# Altium PCB SMIOT_PCB_V2.PcbDoc (part 2 of 2)
Units mm, origin at the board's own origin, x right, y up, seen from the top; angles counter-clockwise.
Board outline 99.95 x 48.01 mm, 2 copper layers (Top Layer, Bottom Layer); 112 components, 69 nets, 364 pads, 712 vias.
Unrouted connection lines stored in the file: 1.
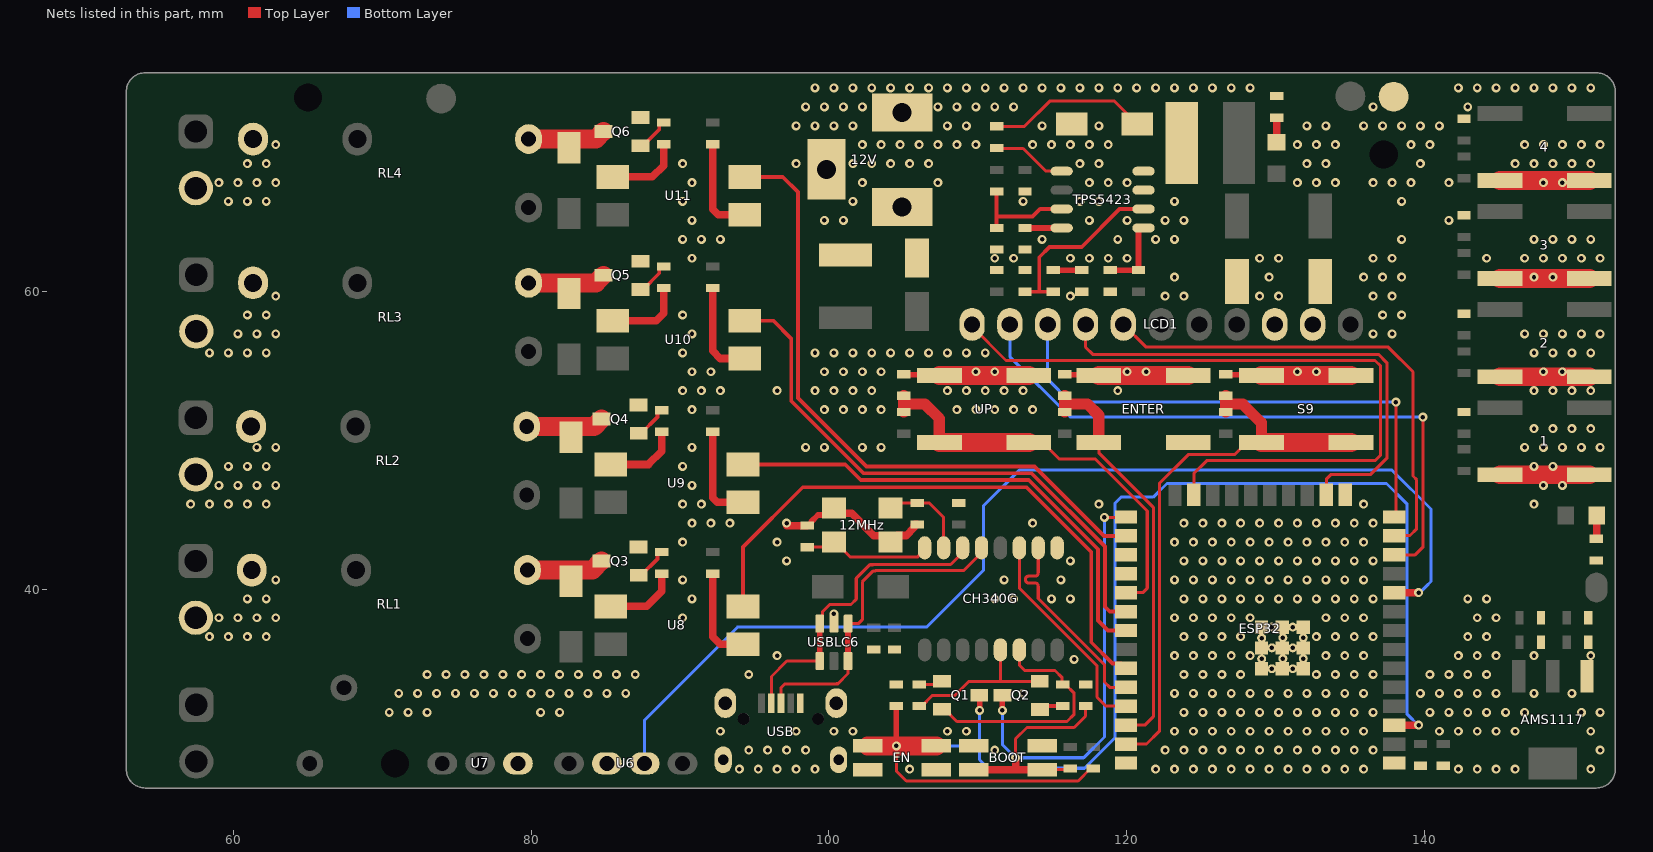
[diagram p2: the nets of this part, all layers, seen from the top]

## Via types
v1: diameter 0.6, hole 0.3, Top Layer to Bottom Layer, tented both sides, 677 vias
v2: diameter 0.6, hole 0.3, Top Layer to Bottom Layer, tented bottom, 35 vias

## Nets (pads, with @x,y where several pads share a name; then routed paths per layer and width w, separated by ;. In a path a pad name is that pad's centre, name@x,y a point inside that pad or via, vN(x,y) a via of type N, cw(c..) or ccw(c..) an arc to the next point about the centre after c; other vN are vias at no path point) (continued)
GND: 1.3 1.4 2.3 2.4 3.3 3.4 4.3 4.4 12MHz.2 12MHz.4 12V.2 12V.3 AMS1117.1 BOOT.3 BOOT.4 C1.2 C2.2 C3.2 C4.2 C5.2 C6.2 C8.2 C9.2 C11.2 C12.2 C13.2 C14.2 C15.2 C16.1 C17.2 C18.2 C19.1 C20.1 C21.2 C22.2 C23.2 C24.2 C25.2 C26.2 C27.2 C28.2 CH340G.1 D2.1 DOWN.2 EN.3 EN.4 ENTER.3 ENTER.4 ESP32.1 ESP32.15 ESP32.38 ESP32.39 GND.1 LCD1.9 LCD1.10 Q3.1 Q4.1 Q5.1 Q6.1 R1.2 R4.2 R5.2 R6.2 R7.2 S9.3 S9.4 TPS5423.7 U6.2 U7.3 UP.3 UP.4 USB.5 USB.Shell USBLC6.2 | length 60.1
  Top Layer w0.381: C19.1@98.552,44.286 98.727,44.286 98.812,44.371 98.812,44.545 99.264,44.998 99.86,44.998 12MHz.4@100.335,45.473 ; C27.2@105.029,54.446 105.074,54.401 107.366,54.401 UP.3@107.411,54.356 ; C28.2@115.824,54.446 115.869,54.401 118.065,54.401 ENTER.3@118.11,54.356 ; DOWN.2@126.619,54.446 126.664,54.401 128.987,54.401 S9.3@129.032,54.356
  Top Layer w0.508: v1@97.155,44.298 97.167,44.286 C19.1@98.552,44.286 ; 12MHz.4@100.335,45.473 100.703,45.105 101.529,45.105 103.017,43.617 103.691,43.617 12MHz.2@104.135,43.173 104.581,43.619 105.177,43.619 105.722,44.164 105.722,44.339 105.743,44.36 C20.1@105.918,44.36
  Top Layer w1.27: UP.3@107.411,54.356 UP.4@113.411,54.356 ; ENTER.3@118.11,54.356 ENTER.4@124.11,54.356 ; S9.3@129.032,54.356 S9.4@135.032,54.356 ; 1.4@145.034,47.697 1.3@151.034,47.697 ; 2.4@145.034,54.277 2.3@151.034,54.277 ; 3.4@145.034,60.857 3.3@151.034,60.857 ; 4.4@145.034,67.437 4.3@151.034,67.437
  other v1: 93.98,27.94 95.25,27.94 96.52,27.94 97.79,27.94 99.06,27.94 105.41,27.94 121.92,27.94 123.19,27.94 124.46,27.94 125.73,27.94 127,27.94 128.27,27.94 129.54,27.94 130.81,27.94 132.08,27.94 133.35,27.94 134.62,27.94 135.89,27.94 142.24,27.94 143.51,27.94 144.78,27.94 146.05,27.94 151.13,27.94 94.615,29.21 95.885,29.21 97.155,29.21 98.425,29.21 111.125,29.21 122.555,29.21 123.825,29.21 125.095,29.21 126.365,29.21 127.635,29.21 128.905,29.21 130.175,29.21 131.445,29.21 132.715,29.21 133.985,29.21 135.255,29.21 136.525,29.21 151.765,29.21 92.71,30.48 97.79,30.48 100.33,30.48 101.6,30.48 107.95,30.48 109.22,30.48 123.19,30.48 124.46,30.48 125.73,30.48 127,30.48 128.27,30.48 129.54,30.48 130.81,30.48 132.08,30.48 133.35,30.48 134.62,30.48 135.89,30.48 140.97,30.48 142.24,30.48 143.51,30.48 144.78,30.48 146.05,30.48 151.13,30.48 70.485,31.75 71.755,31.75 73.025,31.75 80.645,31.75 81.915,31.75 123.825,31.75 125.095,31.75 126.365,31.75 127.635,31.75 128.905,31.75 130.175,31.75 131.445,31.75 132.715,31.75 133.985,31.75 135.255,31.75 136.525,31.75 140.335,31.75 141.605,31.75 142.875,31.75 144.145,31.75 145.415,31.75 146.685,31.75 150.495,31.75 151.765,31.75 71.12,33.02 72.39,33.02 73.66,33.02 74.93,33.02 76.2,33.02 77.47,33.02 78.74,33.02 80.01,33.02 81.28,33.02 82.55,33.02 83.82,33.02 85.09,33.02 86.36,33.02 113.03,33.02 123.19,33.02 124.46,33.02 125.73,33.02 127,33.02 128.27,33.02 129.54,33.02 130.81,33.02 132.08,33.02 133.35,33.02 134.62,33.02 135.89,33.02 139.7,33.02 140.97,33.02 142.24,33.02 143.51,33.02 144.78,33.02 147.32,33.02 149.86,33.02 73.025,34.29 74.295,34.29 75.565,34.29 76.835,34.29 78.105,34.29 79.375,34.29 80.645,34.29 81.915,34.29 83.185,34.29 84.455,34.29 85.725,34.29 86.995,34.29 94.615,34.29 123.825,34.29 125.095,34.29 126.365,34.29 127.635,34.29 132.715,34.29 133.985,34.29 135.255,34.29 136.525,34.29 140.335,34.29 141.605,34.29 142.875,34.29 144.145,34.29 116.459,35.306 96.52,35.56 123.19,35.56 124.46,35.56 125.73,35.56 127,35.56 128.27,35.56 133.35,35.56 134.62,35.56 135.89,35.56 142.24,35.56 143.51,35.56 144.78,35.56 147.32,35.56 151.13,35.56 123.825,36.83 125.095,36.83 126.365,36.83 127.635,36.83 132.715,36.83 133.985,36.83 135.255,36.83 136.525,36.83 142.875,36.83 144.145,36.83 90.17,38.1 123.19,38.1 124.46,38.1 125.73,38.1 127,38.1 128.27,38.1 133.35,38.1 134.62,38.1 135.89,38.1 143.51,38.1 144.78,38.1 100.33,38.354 90.805,39.37 111.125,39.37 112.395,39.37 114.935,39.37 116.205,39.37 123.825,39.37 125.095,39.37 126.365,39.37 127.635,39.37 128.905,39.37 130.175,39.37 131.445,39.37 132.715,39.37 133.985,39.37 135.255,39.37 136.525,39.37 142.875,39.37 144.145,39.37 90.17,40.64 111.76,40.64 115.57,40.64 123.19,40.64 124.46,40.64 125.73,40.64 127,40.64 128.27,40.64 129.54,40.64 130.81,40.64 132.08,40.64 133.35,40.64 134.62,40.64 135.89,40.64 97.155,41.91 116.205,41.91 123.825,41.91 125.095,41.91 126.365,41.91 127.635,41.91 128.905,41.91 130.175,41.91 131.445,41.91 132.715,41.91 133.985,41.91 135.255,41.91 136.525,41.91 90.17,43.18 96.52,43.18 123.19,43.18 124.46,43.18 125.73,43.18 127,43.18 128.27,43.18 129.54,43.18 130.81,43.18 132.08,43.18 133.35,43.18 134.62,43.18 135.89,43.18 90.805,44.45 92.075,44.45 93.345,44.45 97.155,44.45 113.665,44.45 123.825,44.45 125.095,44.45 126.365,44.45 127.635,44.45 128.905,44.45 130.175,44.45 131.445,44.45 132.715,44.45 133.985,44.45 135.255,44.45 136.525,44.45 90.17,45.72 91.44,45.72 118.11,45.72 135.89,45.72 147.32,45.72 90.805,46.99 147.955,46.99 149.225,46.99 90.17,48.26 147.32,48.26 148.59,48.26 90.805,49.53 98.425,49.53 99.695,49.53 102.235,49.53 103.505,49.53 146.685,49.53 147.955,49.53 149.225,49.53 150.495,49.53 151.765,49.53 147.32,50.8 148.59,50.8 149.86,50.8 151.13,50.8 90.805,52.07 99.695,52.07 100.965,52.07 102.235,52.07 103.505,52.07 108.585,52.07 109.855,52.07 111.125,52.07 112.395,52.07 113.665,52.07 90.17,53.34 91.44,53.34 92.71,53.34 96.52,53.34 99.06,53.34 100.33,53.34 101.6,53.34 102.87,53.34 107.95,53.34 109.22,53.34 110.49,53.34 111.76,53.34 113.03,53.34 119.38,53.34 147.32,53.34 148.59,53.34 149.86,53.34 151.13,53.34 90.805,54.61 92.075,54.61 99.695,54.61 100.965,54.61 102.235,54.61 103.505,54.61 109.855,54.61 111.125,54.61 120.015,54.61 121.285,54.61 131.445,54.61 132.715,54.61 147.955,54.61 149.225,54.61 90.17,55.88 99.06,55.88 100.33,55.88 101.6,55.88 102.87,55.88 104.14,55.88 105.41,55.88 106.68,55.88 107.95,55.88 109.22,55.88 110.49,55.88 147.32,55.88 148.59,55.88 149.86,55.88 151.13,55.88 90.805,57.15 136.525,57.15 137.795,57.15 146.685,57.15 147.955,57.15 149.225,57.15 150.495,57.15 151.765,57.15 90.17,58.42 137.16,58.42 138.43,58.42 116.205,59.69 122.555,59.69 123.825,59.69 128.905,59.69 130.175,59.69 136.525,59.69 137.795,59.69 123.19,60.96 129.54,60.96 135.89,60.96 137.16,60.96 138.43,60.96 147.32,60.96 148.59,60.96 90.805,62.23 111.125,62.23 112.395,62.23 116.205,62.23 117.475,62.23 118.745,62.23 120.015,62.23 128.905,62.23 130.175,62.23 136.525,62.23 137.795,62.23 144.145,62.23 146.685,62.23 147.955,62.23 149.225,62.23 150.495,62.23 151.765,62.23 90.17,63.5 91.44,63.5 92.71,63.5 114.3,63.5 119.38,63.5 121.92,63.5 123.19,63.5 138.43,63.5 147.32,63.5 148.59,63.5 149.86,63.5 151.13,63.5 90.805,64.77 99.695,64.77 100.965,64.77 117.475,64.77 120.015,64.77 122.555,64.77 123.825,64.77 141.605,64.77 90.17,66.04 101.6,66.04 113.03,66.04 116.84,66.04 118.11,66.04 123.19,66.04 138.43,66.04 90.805,67.31 102.235,67.31 107.315,67.31 117.475,67.31 118.745,67.31 120.015,67.31 131.445,67.31 132.715,67.31 133.985,67.31 136.525,67.31 137.795,67.31 139.065,67.31 141.605,67.31 147.955,67.31 149.225,67.31 90.17,68.58 97.79,68.58 101.6,68.58 102.87,68.58 104.14,68.58 105.41,68.58 106.68,68.58 116.84,68.58 118.11,68.58 132.08,68.58 133.35,68.58 139.7,68.58 146.05,68.58 147.32,68.58 148.59,68.58 149.86,68.58 151.13,68.58 102.235,69.85 103.505,69.85 104.775,69.85 106.045,69.85 107.315,69.85 108.585,69.85 109.855,69.85 113.665,69.85 114.935,69.85 116.205,69.85 117.475,69.85 118.745,69.85 131.445,69.85 132.715,69.85 133.985,69.85 139.065,69.85 140.335,69.85 146.685,69.85 147.955,69.85 149.225,69.85 150.495,69.85 151.765,69.85 97.79,71.12 99.06,71.12 100.33,71.12 101.6,71.12 107.95,71.12 109.22,71.12 114.3,71.12 118.11,71.12 132.08,71.12 133.35,71.12 135.89,71.12 137.16,71.12 138.43,71.12 139.7,71.12 140.97,71.12 98.425,72.39 99.695,72.39 100.965,72.39 102.235,72.39 107.315,72.39 108.585,72.39 109.855,72.39 111.125,72.39 112.395,72.39 136.525,72.39 142.875,72.39 99.06,73.66 100.33,73.66 101.6,73.66 102.87,73.66 104.14,73.66 105.41,73.66 106.68,73.66 107.95,73.66 109.22,73.66 110.49,73.66 111.76,73.66 113.03,73.66 114.3,73.66 115.57,73.66 116.84,73.66 118.11,73.66 119.38,73.66 120.65,73.66 121.92,73.66 123.19,73.66 124.46,73.66 125.73,73.66 127,73.66 128.27,73.66 142.24,73.66 143.51,73.66 144.78,73.66 146.05,73.66 147.32,73.66 148.59,73.66 149.86,73.66 151.13,73.66
HSPICLK: ESP32.13 LCD1.5 | length 33.1
  Top Layer w0.203: LCD1.5@119.761,57.785 121.285,56.261 137.541,56.261 139.192,54.61 139.192,47.609 139.446,47.355 139.446,44.069 138.995,43.618 137.959,43.618 ESP32.13@137.932,43.591
HSPICS0: ESP32.23 LCD1.1 | length 49.1
  Top Layer w0.203: LCD1.1@109.601,57.785 109.601,57.658 111.887,55.372 136.652,55.372 137.033,54.991 137.033,49.022 136.652,48.641 125.349,48.641 124.492,47.784 ESP32.23@124.492,46.361
HSPID: ESP32.16 LCD1.4 | length 34.3
  Top Layer w0.203: LCD1.4@117.221,57.785 117.221,56.261 117.704,55.778 136.881,55.778 137.444,55.215 137.444,48.798 136.373,47.727 133.706,47.727 133.382,47.403 ESP32.16@133.382,46.361
LCD_Enter: C28.1 ENTER.1 ENTER.2 ESP32.36 R22.2 | length 27.5
  Top Layer w0.203: ENTER.2@118.11,49.856 118.11,49.172 121.768,45.515 121.768,31.463 121.196,30.891 ESP32.36@119.932,30.891
  Top Layer w0.762: R22.2@115.824,51.906 115.824,52.451 ; C28.1@115.824,52.996 115.824,52.451 ; ENTER.2@118.11,49.856 118.11,51.689 117.348,52.451 115.824,52.451
LCD_RS: ESP32.14 LCD1.3 | length 35.4
  Top Layer w0.203: ESP32.14@137.932,44.861 138.049,44.978 v2(138.049,52.578)
  Bottom Layer w0.203: LCD1.3@114.681,57.785 114.681,54.102 116.205,52.578 v2(138.049,52.578)
LCD_RST: ESP32.12 LCD1.2 | length 42.4
  Top Layer w0.203: ESP32.12@137.932,42.321 139.349,42.321 139.857,42.829 v2(139.857,51.562)
  Bottom Layer w0.203: LCD1.2@112.141,57.785 112.141,55.626 116.205,51.562 v2(139.857,51.562)
LCD_UP: C27.1 ESP32.29 R20.2 UP.1 UP.2 | length 28.1
  Top Layer w0.203: UP.1@113.411,49.856 114.355,49.856 115.443,48.768 117.856,48.768 121.361,45.263 121.361,40.081 121.061,39.781 ESP32.29@119.932,39.781
  Top Layer w0.762: R20.2@105.029,51.906 105.029,52.451 ; C27.1@105.029,52.996 105.029,52.451 ; UP.2@107.411,49.856 107.411,51.466 106.426,52.451 105.029,52.451
  Top Layer w1.27: UP.2@107.411,49.856 UP.1@113.411,49.856
LDC_DOWN: DOWN.1 ESP32.37 R25.2 S9.1 S9.2 | length 38.6
  Top Layer w0.203: ESP32.37@119.932,29.621 121.315,29.621 122.174,30.48 122.174,47.117 124.104,49.047 127.223,49.047 128.032,49.856 S9.2@129.032,49.856
  Top Layer w0.762: R25.2@126.619,51.906 126.619,52.451 ; DOWN.1@126.619,52.996 126.619,52.451 ; S9.2@129.032,49.856 129.032,51.181 127.762,52.451 126.619,52.451
  Top Layer w1.27: S9.2@129.032,49.856 S9.1@135.032,49.856
LM393: ESP32.10 U6.3 | length 73.9
  Top Layer w0.508: ESP32.10@137.932,39.781 v2(139.578,39.781)
  Bottom Layer w0.203: U6.3@87.63,28.321 87.63,31.242 93.853,37.465 93.878,37.49 106.578,37.49 110.363,41.275 110.363,45.593 112.776,48.006 137.795,48.006 140.405,45.396 140.405,40.532 140.092,40.219 139.654,39.781 v2(139.578,39.781)
NetC7_1: C7.1 TPS5423.1 | length 5
  Top Layer w0.203: C7.1@111.252,69.633 111.289,69.596 113.035,69.596 114.559,68.072 TPS5423.1@115.614,68.072
NetC7_2: C7.2 D2.2 L1.1 TPS5423.8 | length 10.8
  Top Layer w0.203: C7.2@111.252,71.083 113.12,71.083 114.808,72.771 119.167,72.771 D2.2@120.691,71.247
NetC10_1: C10.1 C11.1 TPS5423.6 | length 12.6
  Top Layer w0.254: C11.1@113.157,59.981 114.109,59.981 ; C10.1@115.062,59.981 114.109,59.981 ; TPS5423.6@121.114,65.532 119.507,65.532 116.967,62.992 114.808,62.992 114.109,62.293 114.109,59.981
NetC10_2: C10.2 R7.1 | length 1.9
  Top Layer w0.381: C10.2@115.062,61.431 R7.1@116.967,61.431
NetC13_1: C13.1 TPS5423.4 | length 2.5
  Top Layer w0.381: C13.1@113.157,64.262 TPS5423.4@115.614,64.262
NetC19_2: 12MHz.1 C19.2 CH340G.8 | length 8.8
  Top Layer w0.203: C19.2@98.552,42.836 99.998,42.836 12MHz.1@100.335,43.173 100.435,43.173 101.444,42.164 105.931,42.164 106.426,42.659 CH340G.8@106.426,42.795
NetC20_2: 12MHz.3 C20.2 CH340G.7 | length 6.1
  Top Layer w0.203: 12MHz.3@104.135,45.473 104.472,45.81 C20.2@105.918,45.81 106.717,45.81 107.696,44.831 CH340G.7@107.696,42.795
NetC21_1: C21.1 EN.1 EN.2 ESP32.3 Q1.2 R10.2 | length 96.2
  Top Layer w0.203: v2(104.521,29.502) 104.521,27.813 105.187,27.147 116.724,27.147 117.554,27.977 R10.2@117.729,27.977 ; Q1.2@110.089,32.893 Q1.2@110.109,32.873
  Top Layer w0.381: v2(104.521,29.502) C21.1@104.521,32.168 ; v2(110.109,31.877) Q1.2@110.109,32.873
  Top Layer w0.508: ESP32.3@137.932,30.891 v2(139.573,30.891)
  Top Layer w1.27: EN.1@102.602,29.502 v2(104.521,29.502) EN.2@107.202,29.502
  Bottom Layer w0.203: v2(104.521,29.502) 110.109,29.502 ; v2(110.109,31.877) 110.109,29.502 ; v2@139.573,30.861 138.811,31.623 138.811,45.72 137.414,47.117 122.682,47.117 121.755,46.19 119.596,46.19 119.196,45.79 119.196,30.042 117.151,27.997 110.687,27.997 110.109,28.575 110.109,29.502
NetC22_1: BOOT.1 BOOT.2 C22.1 ESP32.25 Q2.2 R11.2 | length 41.9
  Top Layer w0.203: Q2.2@111.633,32.873 Q2.2@111.653,32.893 ; v2(112.522,28.702) 112.522,29.972 113.284,30.734 116.459,30.734 117.221,31.496 C22.1@117.221,32.168 ; BOOT.1@114.314,27.902 116.13,27.902 R11.2@116.205,27.977 ; v2(118.491,44.831) 119.902,44.831 ESP32.25@119.932,44.861
  Top Layer w0.381: v2(111.633,31.877) Q2.2@111.633,32.873
  Top Layer w0.508: BOOT.2@109.714,27.902 112.522,27.902 ; v2(112.522,28.702) 112.522,27.902 ; BOOT.1@114.314,27.902 112.522,27.902
  Bottom Layer w0.203: v2(111.633,31.877) 111.633,29.591 v2(112.522,28.702) 117.094,28.702 118.491,30.099 v2(118.491,44.831)
NetD1_2: D1.2 R1.1 | length 1.6
  Top Layer w0.508: R1.1@151.511,43.397 151.524,43.397 151.545,43.418 D1.2@151.545,44.958
NetD3_2: D3.2 R6.1 | length 1.7
  Top Layer w0.508: D3.2@130.048,70.011 R6.1@130.048,71.665
NetD5_1: D5.1 Q3.2 RL1.2 | length 5.2
  Top Layer w1.27: RL1.2@79.756,41.303 84.122,41.303 Q3.2@84.729,41.91
NetD6_1: D6.1 Q4.2 RL2.2 | length 5.2
  Top Layer w1.27: RL2.2@79.714,50.937 84.231,50.937 Q4.2@84.729,51.435
NetD7_1: D7.1 Q5.2 RL3.2 | length 5.2
  Top Layer w1.27: RL3.2@79.841,60.579 84.348,60.579 Q5.2@84.856,61.087
NetD8_1: D8.1 Q6.2 RL4.2 | length 5.2
  Top Layer w1.27: RL4.2@79.841,70.231 84.348,70.231 Q6.2@84.856,70.739
NetF1_0: 12V.1@104.902,65.659 F1.0
NetJ1_2: CH340G.6 USB.2 USBLC6.3 USBLC6.4 | length 21.1
  Top Layer w0.203: USB.2@96.124,32.364 96.139,32.379 96.139,34.163 97.17,35.194 USBLC6.4@99.38,35.194 ; USBLC6.3@99.38,37.704 99.573,37.897 99.573,38.519 100.043,38.989 101.473,38.989 101.829,39.345 101.829,40.742 102.743,41.656 102.95,41.656 102.963,41.669 108.165,41.669 108.966,42.47 CH340G.6@108.966,42.795
  Top Layer w0.381: USBLC6.4@99.38,35.194 USBLC6.3@99.38,37.704
NetJ1_3: CH340G.5 USB.3 USBLC6.1 USBLC6.6 | length 22
  Top Layer w0.203: USB.3@96.774,32.364 96.774,33.401 97.028,33.655 100.331,33.655 cw(c100.499,32.639) 100.514,33.669 100.598,33.669 101.28,34.351 USBLC6.6@101.28,35.194 ; USBLC6.1@101.28,37.704 101.966,37.704 102.235,37.973 102.235,40.513 102.972,41.25 103.119,41.25 103.132,41.263 109.029,41.263 110.236,42.47 CH340G.5@110.236,42.795
  Top Layer w0.381: USBLC6.6@101.28,35.194 USBLC6.1@101.28,37.704
NetP1_2: P1.2 RL1.4
  other v1: 58.42,36.83 59.69,36.83 60.96,36.83 62.23,36.83 59.055,38.1 60.325,38.1 61.595,38.1 62.865,38.1 60.96,39.37 62.23,39.37 62.865,40.64
NetP2_2: P2.2 RL2.4
  other v1: 57.15,45.72 58.42,45.72 59.69,45.72 60.96,45.72 62.23,45.72 59.055,46.99 60.325,46.99 61.595,46.99 62.865,46.99 59.69,48.26 60.96,48.26 62.23,48.26 61.595,49.53 62.865,49.53
NetP3_2: P3.2 RL3.4
  other v1: 58.42,55.88 59.69,55.88 60.96,55.88 62.23,55.88 60.325,57.15 61.595,57.15 62.865,57.15 60.96,58.42 62.23,58.42 62.865,59.69
NetP4_2: P4.2 RL4.4
  other v1: 59.69,66.04 60.96,66.04 62.23,66.04 59.055,67.31 60.325,67.31 61.595,67.31 62.865,67.31 60.96,68.58 62.23,68.58 62.865,69.85
NetQ1_1: CH340G.14 Q1.1 R9.1 | length 16.5
  Top Layer w0.203: Q1.1@107.594,31.953 107.769,31.953 108.582,31.14 115.976,31.14 116.459,31.623 116.459,33.031 115.872,33.618 R9.1@115.697,33.618 115.654,33.661 115.654,34.079 115.17,34.563 113.138,34.563 112.776,34.925 CH340G.14@112.776,35.945
NetQ1_3: Q1.3 R8.2 | length 1.6
  Top Layer w0.203: R8.2@106.045,33.618 107.364,33.618 Q1.3@107.589,33.843
NetQ2_1: CH340G.13 Q2.1 R8.1 | length 10.9
  Top Layer w0.203: R8.1@106.045,32.168 106.22,32.168 106.945,32.893 108.458,32.893 109.398,33.833 111.506,33.833 ; CH340G.13@111.506,35.945 111.506,33.833 ; Q2.1@114.148,33.833 111.506,33.833
NetQ2_3: Q2.3 R9.2 | length 1.6
  Top Layer w0.203: Q2.3@114.153,31.943 Q2.3@114.378,32.168
  Top Layer w0.254: Q2.3@114.378,32.168 R9.2@115.697,32.168
NetQ3_3: Q3.3 R17.2 | length 2.4
  Top Layer w0.254: Q3.3@87.229,40.96 87.404,40.96 88.485,42.041 88.485,42.36 88.633,42.508 R17.2@88.773,42.508
NetQ4_3: Q4.3 R19.2 | length 2.4
  Top Layer w0.254: Q4.3@87.229,50.485 87.404,50.485 88.485,51.566 88.485,51.885 88.633,52.033 R19.2@88.773,52.033
NetQ5_3: Q5.3 R23.2 | length 2.4
  Top Layer w0.254: Q5.3@87.356,60.137 87.531,60.137 88.612,61.218 88.612,61.537 88.76,61.685 R23.2@88.9,61.685
NetQ6_3: Q6.3 R26.2 | length 2.4
  Top Layer w0.254: Q6.3@87.356,69.789 87.531,69.789 88.612,70.87 88.612,71.189 88.76,71.337 R26.2@88.9,71.337
NetR2_1: R2.1 R5.1 TPS5423.5 | length 5.1
  Top Layer w0.381: R5.1@118.872,61.431 R2.1@120.941,61.431 ; R2.1@120.777,61.431 120.777,64.079 120.96,64.262 TPS5423.5@121.114,64.262
NetR3_2: R3.2 R4.1 TPS5423.3 | length 6.8
  Top Layer w0.254: R4.1@111.252,64.479 111.252,65.024 ; R3.2@111.252,66.712 111.252,65.024 ; TPS5423.3@115.614,65.532 114.173,65.532 113.665,65.024 111.252,65.024
NetR16_2: R16.2 U8.1 | length 6.5
  Top Layer w0.508: R16.2@92.202,41.058 92.202,36.83 92.71,36.322 U8.1@94.221,36.322
NetR17_1: R17.1 U8.3 | length 5
  Top Layer w0.203: U8.3@85.357,38.862 U8.3@85.979,38.862
  Top Layer w0.508: U8.3@85.979,38.862 87.757,38.862 88.773,39.878 R17.1@88.773,41.058
NetR18_2: R18.2 U9.1 | length 6.6
  Top Layer w0.508: R18.2@92.202,50.583 92.202,46.145 92.5,45.847 U9.1@94.221,45.847
NetR19_1: R19.1 U9.3 | length 5.1
  Top Layer w0.508: U9.3@85.357,48.387 87.884,48.387 88.773,49.276 R19.1@88.773,50.583
NetR21_2: R21.2 U10.1 | length 6.6
  Top Layer w0.508: R21.2@92.202,60.235 92.202,56.007 92.71,55.499 U10.1@94.348,55.499
NetR23_1: R23.1 U10.3 | length 5.3
  Top Layer w0.508: U10.3@85.484,58.039 88.392,58.039 88.9,58.547 R23.1@88.9,60.235
NetR24_2: R24.2 U11.1 | length 6.7
  Top Layer w0.508: R24.2@92.202,69.887 92.202,65.532 92.583,65.151 U11.1@94.348,65.151
NetR26_1: R26.1 U11.3 | length 5.2
  Top Layer w0.508: U11.3@85.484,67.691 88.138,67.691 88.9,68.453 R26.1@88.9,69.887
NetU3_2: CH340G.2 ESP32.34 | length 13.8
  Top Layer w0.203: CH340G.2@114.046,42.795 114.046,41.465 114.046,41.123 cw(c113.817,41.123) 113.817,40.894 113.411,40.894 ccw(c113.411,40.665) 113.411,40.437 113.817,40.437 cw(c113.817,40.208) 114.046,40.208 114.046,40.107 114.046,39.394 118.491,34.949 118.491,33.782 118.842,33.431 ESP32.34@119.932,33.431
NetU3_3: CH340G.3 ESP32.35 | length 14.4
  Top Layer w0.203: CH340G.3@112.776,42.795 112.776,40.09 117.983,34.883 117.983,32.766 118.588,32.161 ESP32.35@119.932,32.161
NetU5_27: ESP32.27
NetU5_28: ESP32.28
RL1: ESP32.33 U8.2 | length 39.9
  Top Layer w0.254: U8.2@94.221,38.862 94.221,42.849 98.235,46.863 113.249,46.863 117.602,42.51 117.602,36.449 119.027,35.024 119.609,35.024 ESP32.33@119.932,34.701
RL2: ESP32.31 U9.2 | length 33.1
  Top Layer w0.254: U9.2@94.221,48.387 101.092,48.387 102.133,47.346 113.413,47.346 118.059,42.7 118.059,37.908 118.72,37.248 119.925,37.248 ESP32.31@119.932,37.241
RL3: ESP32.30 U10.2 | length 38.5
  Top Layer w0.254: U10.2@94.348,58.039 96.266,58.039 97.46,56.845 97.46,52.666 102.323,47.803 113.603,47.803 118.516,42.889 118.516,38.837 118.842,38.511 ESP32.30@119.932,38.511
RL4: ESP32.26 U11.2 | length 43.7
  Top Layer w0.254: U11.2@94.348,67.691 96.901,67.691 97.917,66.675 97.917,52.855 102.512,48.26 113.792,48.26 118.461,43.591 ESP32.26@119.932,43.591
pads on no net: CH340G.9 CH340G.10 CH340G.11 CH340G.12 CH340G.15 ESP32.4 ESP32.5 ESP32.17 ESP32.18 ESP32.19 ESP32.20 ESP32.21 ESP32.22 ESP32.24 ESP32.32 H1.0 H2.0 H3.0 LCD1.6 LCD1.7 LCD1.8 U6.4 USB.4 USB.MH1 USB.MH2
copper on no net: | length 0.1
  Top Layer w0.203: 129.032,36.071 129.127,35.976 129.127,35.968

## Polygon pours and split planes (outlines as drawn)
GND on Bottom Layer "GND_L02_P043" (solid, remove dead copper, pour order 43): 75.311,74.371 75.311,34.925 72.263,34.925 65.786,28.448 65.786,26.67 152.908,26.67 152.908,74.371
AC1 on Bottom Layer "AC1_L02_P040" (solid, remove dead copper, pour order 40): 56.769,34.036 56.388,33.655 56.388,31.496 56.769,31.115 66.675,31.115 70.104,34.544 70.104,70.993 69.342,71.755 67.31,71.755 66.548,70.993 66.548,36.703 63.881,34.036
NetP2_2 on Bottom Layer "NETP2_2_L02_P038" (solid, remove dead copper, pour order 38): 56.896,48.853 56.388,48.345 56.388,45.805 56.896,45.297 62.992,45.297 63.5,45.805 63.5,51.774 62.992,52.282 60.706,52.282 60.198,51.774 60.198,49.361 59.69,48.853
AC2 on Bottom Layer "AC2_L02_P035" (solid, remove dead copper, pour order 35): 66.04,27.432 65.532,26.924 52.959,26.924 52.959,74.066 53.569,74.676 58.293,74.676 58.928,74.041 58.928,69.977 58.547,69.596 55.753,69.596 54.864,68.707 54.864,63.627 55.753,62.738 58.674,62.738 58.928,62.484 58.928,60.325 58.674,60.071 55.753,60.071 54.864,59.182 54.864,54.102 55.753,53.213 58.674,53.213 58.928,52.959 58.928,50.673 58.674,50.419 55.753,50.419 54.864,49.53 54.864,44.45 55.753,43.561 58.674,43.561 58.928,43.307 58.928,41.021 58.674,40.767 55.753,40.767 54.864,39.878 54.864,30.607 55.753,29.718 65.532,29.718 66.04,29.21
NetP4_2 on Bottom Layer "NETP4_2_L02_P036" (solid, remove dead copper, pour order 36): 56.896,68.072 56.388,67.564 56.388,65.024 56.896,64.516 62.992,64.516 63.5,65.024 63.5,70.993 62.992,71.501 60.706,71.501 60.198,70.993 60.198,68.58 59.69,68.072
NetP3_2 on Bottom Layer "NETP3_2_L02_P037" (solid, remove dead copper, pour order 37): 56.925,58.462 56.417,57.954 56.417,55.414 56.925,54.906 63.021,54.906 63.529,55.414 63.529,61.383 63.021,61.891 60.735,61.891 60.227,61.383 60.227,58.97 59.719,58.462
NetP1_2 on Bottom Layer "NETP1_2_L02_P039" (solid, remove dead copper, pour order 39): 56.896,39.243 56.388,38.735 56.388,36.195 56.896,35.687 62.992,35.687 63.5,36.195 63.5,42.164 62.992,42.672 60.706,42.672 60.198,42.164 60.198,39.751 59.69,39.243
5V on Bottom Layer "5V_L02_P008" (solid, remove dead copper, pour order 8): 145.034,41.021 145.923,41.91 146.558,41.91 146.812,41.656 146.812,39.878 146.558,39.624 145.923,39.624 145.034,40.513
3.3V on Bottom Layer "3.3V_L02_P010" (solid, remove dead copper, pour order 10): 148.971,41.783 149.098,41.91 149.86,41.91 149.987,41.783 149.987,39.751 149.86,39.624 149.098,39.624 148.971,39.751
5V on Bottom Layer "5V_L02_P019" (solid, remove dead copper, pour order 19): 133.985,66.548 136.779,66.548 137.287,66.04 137.287,63.881 136.779,63.373 133.985,63.373 133.477,63.881 133.477,66.04
5V on Bottom Layer "5V_L02_P024" (solid, remove dead copper, pour order 24): 107.315,40.767 106.934,41.148 106.172,41.148 105.156,40.132 105.156,39.751 106.172,38.735 106.934,38.735 107.315,39.116
12V on Bottom Layer "12V_L02_P025" (solid, remove dead copper, pour order 25): 107.823,62.992 108.077,63.246 109.982,63.246 110.236,62.992 110.236,61.214 109.982,60.96 108.077,60.96 107.823,61.214
GND on Top Layer "GND_L01_P044" (solid, remove dead copper, pour order 44): 75.311,72.898 77.089,74.676 152.908,74.676 152.908,26.67 65.786,26.67 65.786,28.448 75.311,37.973
GND on Top Layer "GND_L01_P042" (solid, remove dead copper, pour order 42): 119.126,28.829 119.126,26.924 142.24,26.924 142.24,28.829 137.033,28.829 137.033,45.466 137.922,45.466 137.922,46.355 135.255,46.355 135.255,47.117 134.112,47.117 134.112,45.466 122.301,45.466 122.301,30.353 120.777,28.829
5V on Top Layer "5V_L01_P009" (solid, remove dead copper, pour order 9): 128.651,72.771 128.778,72.644 128.778,67.31 129.54,66.548 136.788,66.548 137.287,66.049 137.287,63.881 136.779,63.373 126.619,63.373 126.365,63.627 126.365,72.644 126.492,72.771
5V on Top Layer "5V_L01_P023" (solid, remove dead copper, pour order 23): 132.207,66.548 136.652,66.548 137.287,65.913 137.287,64.262 136.525,63.5 132.207,63.5
3.3V on Top Layer "3.3V_L01_P014" (solid, remove dead copper, pour order 14): 148.971,41.783 149.098,41.91 149.86,41.91 149.987,41.783 149.987,35.941 149.225,35.179 149.225,30.734 150.368,29.591 150.368,27.432 150.114,27.178 147.066,27.178 146.812,27.432 146.812,29.591 147.955,30.734 147.955,35.306 148.971,36.322
AC1 on Top Layer "AC1_L01_P029" (solid, remove dead copper, pour order 29): 56.769,34.036 56.388,33.655 56.388,31.496 56.769,31.115 66.675,31.115 70.104,34.544 70.104,70.993 69.342,71.755 67.31,71.755 66.548,70.993 66.548,36.703 63.881,34.036
NetP2_2 on Top Layer "NETP2_2_L01_P034" (solid, remove dead copper, pour order 34): 56.896,48.853 56.388,48.345 56.388,45.805 56.896,45.297 62.992,45.297 63.5,45.805 63.5,51.774 62.992,52.282 60.706,52.282 60.198,51.774 60.198,49.361 59.69,48.853
AC2 on Top Layer "AC2_L01_P031" (solid, remove dead copper, pour order 31): 66.04,27.432 65.532,26.924 52.959,26.924 52.959,74.092 53.543,74.676 58.293,74.676 58.928,74.041 58.928,69.977 58.547,69.596 55.753,69.596 54.864,68.707 54.864,63.627 55.753,62.738 58.674,62.738 58.928,62.484 58.928,60.325 58.674,60.071 55.753,60.071 54.864,59.182 54.864,54.102 55.753,53.213 58.674,53.213 58.928,52.959 58.928,50.673 58.674,50.419 55.753,50.419 54.864,49.53 54.864,44.45 55.753,43.561 58.674,43.561 58.928,43.307 58.928,41.021 58.674,40.767 55.753,40.767 54.864,39.878 54.864,30.607 55.753,29.718 65.532,29.718 66.04,29.21
5V on Top Layer "5V_L01_P027" (solid, remove dead copper, pour order 27): 102.743,40.513 103.2,40.97 106.731,40.97 107.061,40.64 107.061,39.116 106.807,38.862 102.743,38.862
NetP1_2 on Top Layer "NETP1_2_L01_P041" (solid, remove dead copper, pour order 41): 56.896,39.243 56.388,38.735 56.388,36.195 56.896,35.687 62.992,35.687 63.5,36.195 63.5,42.164 62.992,42.672 60.706,42.672 60.198,42.164 60.198,39.751 59.69,39.243
NetP3_2 on Top Layer "NETP3_2_L01_P033" (solid, remove dead copper, pour order 33): 56.925,58.462 56.417,57.954 56.417,55.414 56.925,54.906 63.021,54.906 63.529,55.414 63.529,61.383 63.021,61.891 60.735,61.891 60.227,61.383 60.227,58.97 59.719,58.462
NetP4_2 on Top Layer "NETP4_2_L01_P032" (solid, remove dead copper, pour order 32): 56.896,68.072 56.388,67.564 56.388,65.024 56.896,64.516 62.992,64.516 63.5,65.024 63.5,70.993 62.992,71.501 60.706,71.501 60.198,70.993 60.198,68.58 59.69,68.072
5V on Top Layer "5V_L01_P013" (solid, remove dead copper, pour order 13): 145.923,41.91 146.685,41.91 146.812,41.783 146.812,33.147 146.685,33.02 145.923,33.02 145.796,33.147 145.796,41.783
5V on Top Layer "5V_L01_P021" (solid, remove dead copper, pour order 21): 135.382,65.786 137.033,65.786 137.287,65.532 137.287,64.262 136.652,63.627 135.382,63.627 135.128,63.881 135.128,65.532
NetC7_2 on Top Layer "NETC7_2_L01_P020" (solid, remove dead copper, pour order 20): 122.047,69.977 122.301,69.977 122.428,69.85 122.428,67.437 122.682,67.183 124.587,67.183 124.841,67.437 124.841,72.644 124.587,72.898 119.634,72.898 119.38,72.644 119.38,68.707 120.396,67.691 121.666,67.691 121.92,67.945 121.92,69.85
12V on Top Layer "12V_L01_P016" (solid, remove dead copper, pour order 16): 99.314,59.182 99.06,58.928 99.06,57.531 99.314,57.277 106.934,57.277 109.093,59.436 111.76,59.436 112.014,59.69 112.014,60.325 111.887,60.452 110.617,60.452 110.109,60.96 110.109,66.929 110.871,67.691 113.538,67.691 114.808,66.421 116.332,66.421 116.459,66.548 116.459,67.056 116.332,67.183 114.935,67.183 113.411,68.707 108.585,68.707 107.823,67.945 107.823,60.706 107.188,60.071 100.203,60.071
NetF1_0 on Top Layer "NETF1_0_L01_P015" (solid, remove dead copper, pour order 15): 106.934,67.056 102.743,67.056 102.489,66.802 102.489,65.405 100.457,63.373 99.314,63.373 99.06,63.119 99.06,61.722 99.314,61.468 102.87,61.468 103.505,62.103 103.505,62.738 104.775,64.008 106.934,64.008 107.188,64.262 107.188,66.802

## Keep-outs
Keep-Out Layer:
  the board outline again, w0.203

## Other copper
Top Layer:
  pour cut-out: 142.113,58.166 142.113,57.404 143.002,57.404 143.002,58.166
  pour cut-out: 142.113,64.77 142.113,64.008 143.002,64.008 143.002,64.77
  pour cut-out: 126.111,51.562 126.111,50.8 127,50.8 127,51.562
  pour cut-out: 115.316,51.562 115.316,50.8 116.205,50.8 116.205,51.562
  pour cut-out: 104.521,51.562 104.521,50.8 105.41,50.8 105.41,51.562
  pour cut-out: 94.996,44.831 97.536,47.371 97.536,51.513 96.199,52.85 96.181,52.832 91.567,52.832 91.609,49.867 91.567,49.825 91.567,45.847 92.583,44.831
  pour cut-out: 91.609,59.519 91.567,59.477 91.567,55.499 92.583,54.483 97.536,54.483 97.536,61.165 96.199,62.502 96.181,62.484 91.567,62.484
  pour cut-out: 128.924,72.771 129.286,72.771 129.413,72.771 129.413,67.437 128.791,67.437
  pour cut-out: 110.552,71.603 111.938,71.603 111.938,69.108 110.552,69.108
  pour cut-out: 110.566,66.192 110.617,66.243 110.617,67.183 110.998,67.564 113.284,67.564 113.284,67.056 112.014,67.056 111.76,66.802 111.76,66.167 110.592,66.167
  pour cut-out: 95.059,35.369 96.647,36.957 96.647,41.021 94.234,43.434 91.565,43.434 91.609,40.342 91.567,40.3 91.567,36.322 92.519,35.369
  pour cut-out: 91.482,69.298 91.44,69.256 91.44,65.278 92.456,64.262 97.409,64.262 97.409,70.944 96.072,72.281 96.054,72.263 91.44,72.263
  pour cut-out: 89.45,36.703 88.307,35.56 88.265,35.56 77.794,35.56 75.311,38.043 75.311,44.196 76.934,42.573 80.376,42.573 85.44,42.573 86.075,41.938 89.45,41.938
  pour cut-out: 86.051,51.59 85.416,52.225 79.442,52.225 78.504,51.287 78.504,44.478 79.393,43.589 89.426,43.589 89.426,51.59
  pour cut-out: 86.16,61.214 85.525,61.849 79.551,61.849 78.613,60.911 78.613,54.102 79.502,53.213 89.535,53.213 89.535,61.214
  pour cut-out: 75.311,37.973 73.025,35.687 77.597,35.687
  pour cut-out: 86.16,70.866 85.525,71.501 79.551,71.501 78.613,70.563 78.613,63.754 79.502,62.865 89.535,62.865 89.535,70.866
  pour cut-out: 108.077,46.482 99.441,46.482 97.79,44.831 97.79,41.91 108.077,41.91
  pour cut-out: 124.841,72.898 124.841,67.691 126.365,67.691 126.365,72.898
  pour cut-out: 88.138,68.961 89.408,68.961 89.408,36.703 87.63,34.925 72.263,34.925 72.263,35.56 86.827,35.56 88.138,36.871
  pour cut-out: 71.755,74.676 71.755,35.052 66.04,29.337 66.04,26.67 66.548,26.67 66.548,29.21 72.263,34.925 72.263,74.676
Bottom Layer:
  pour cut-out: 71.755,74.676 71.755,35.052 66.04,29.337 66.04,26.67 66.548,26.67 66.548,29.21 72.263,34.925 72.263,74.676
  pour cut-out: 108.077,46.482 99.441,46.482 97.79,44.831 97.79,41.91 108.077,41.91
  pour cut-out: 97.104,72.423 99.009,74.328 99.009,74.371 95.987,74.371 95.987,70.485 97.104,70.485
  pour cut-out: 89.408,70.231 91.23,72.053 89.408,72.053
  pour cut-out: 119.38,27.051 119.38,30.099 119.126,29.845 119.126,27.686 116.84,27.686 116.84,27.051
  pour cut-out: 88.308,73.746 89.408,73.746 89.408,38.227 86.106,34.925 72.263,34.925 72.263,35.56 85.852,35.56 88.308,38.016

## Silkscreen, mask and mechanical layers (free items; w line width, h text height)
Top Overlay:
  drawing of 203 lines, arcs and shapes, not listed
  text "4" at 78.588,71.577 h3.05
  text "4" at 144.932,68.478 h2.54 r90
  text "3" at 78.587,61.948 h3.05
  text "3" at 144.932,61.898 h2.54 r90
  text "TFT" at 136.448,57.131 h2.03
  text "2" at 144.932,55.318 h2.54 r90
  text "2" at 78.461,52.162 h3.05
  text "1" at 144.932,48.738 h2.54 r90
  text "1" at 78.503,42.649 h3.05
  text "LM393" at 83.337,31.259 h2.03
  text "DHT11" at 74.295,31.242 h2.03
  text "220VAC" at 62.723,27.534 h1.78 r90
Bottom Overlay:
  drawing of 164 lines, arcs and shapes, not listed
  text "e" at 59.793,70.344 h5.08
  text "220VAC" at 66.279,55.245 h1.78 r90
  text "~" at 65.851,53.594 h5.08 r90
  text "a" at 69.942,49.382 h7.62
  text "e" at 59.285,28.307 h5.08

## Text inside footprints (layer, text, board x,y; h text height)
C1: Top Overlay "+" at 103.632,58.166 h0.76 r270
C8: Top Overlay "+" at 126.238,65.913 h0.76 r90
C9: Top Overlay "+" at 131.953,65.913 h0.76 r90
U6: Top Overlay "AO" at 89.357,30.048 h0.76; Top Overlay "DO" at 87.071,30.048 h0.76; Top Overlay "GND" at 84.023,30.048 h0.76; Top Overlay "VCC" at 81.483,30.048 h0.76
U7: Top Overlay "+" at 73.482,30.531 h0.76 r270; Top Overlay "-" at 78.689,29.667 h0.76; Top Overlay "Out" at 75.768,29.921 h0.76
USB: Top Courtyard "PCB Edge" at 95.474,26.164 h0.76